# Altium PCB board_ordered.PcbDoc (part 2 of 3)
Units mm, origin at the board's own origin, x right, y up, seen from the top; angles counter-clockwise.
Board outline 100 x 60 mm, 4 copper layers (Top Layer, Mid Layer 1, Mid Layer 2, Bottom Layer), stack 1.57 mm thick; 237 components, 177 nets, 834 pads, 365 vias.
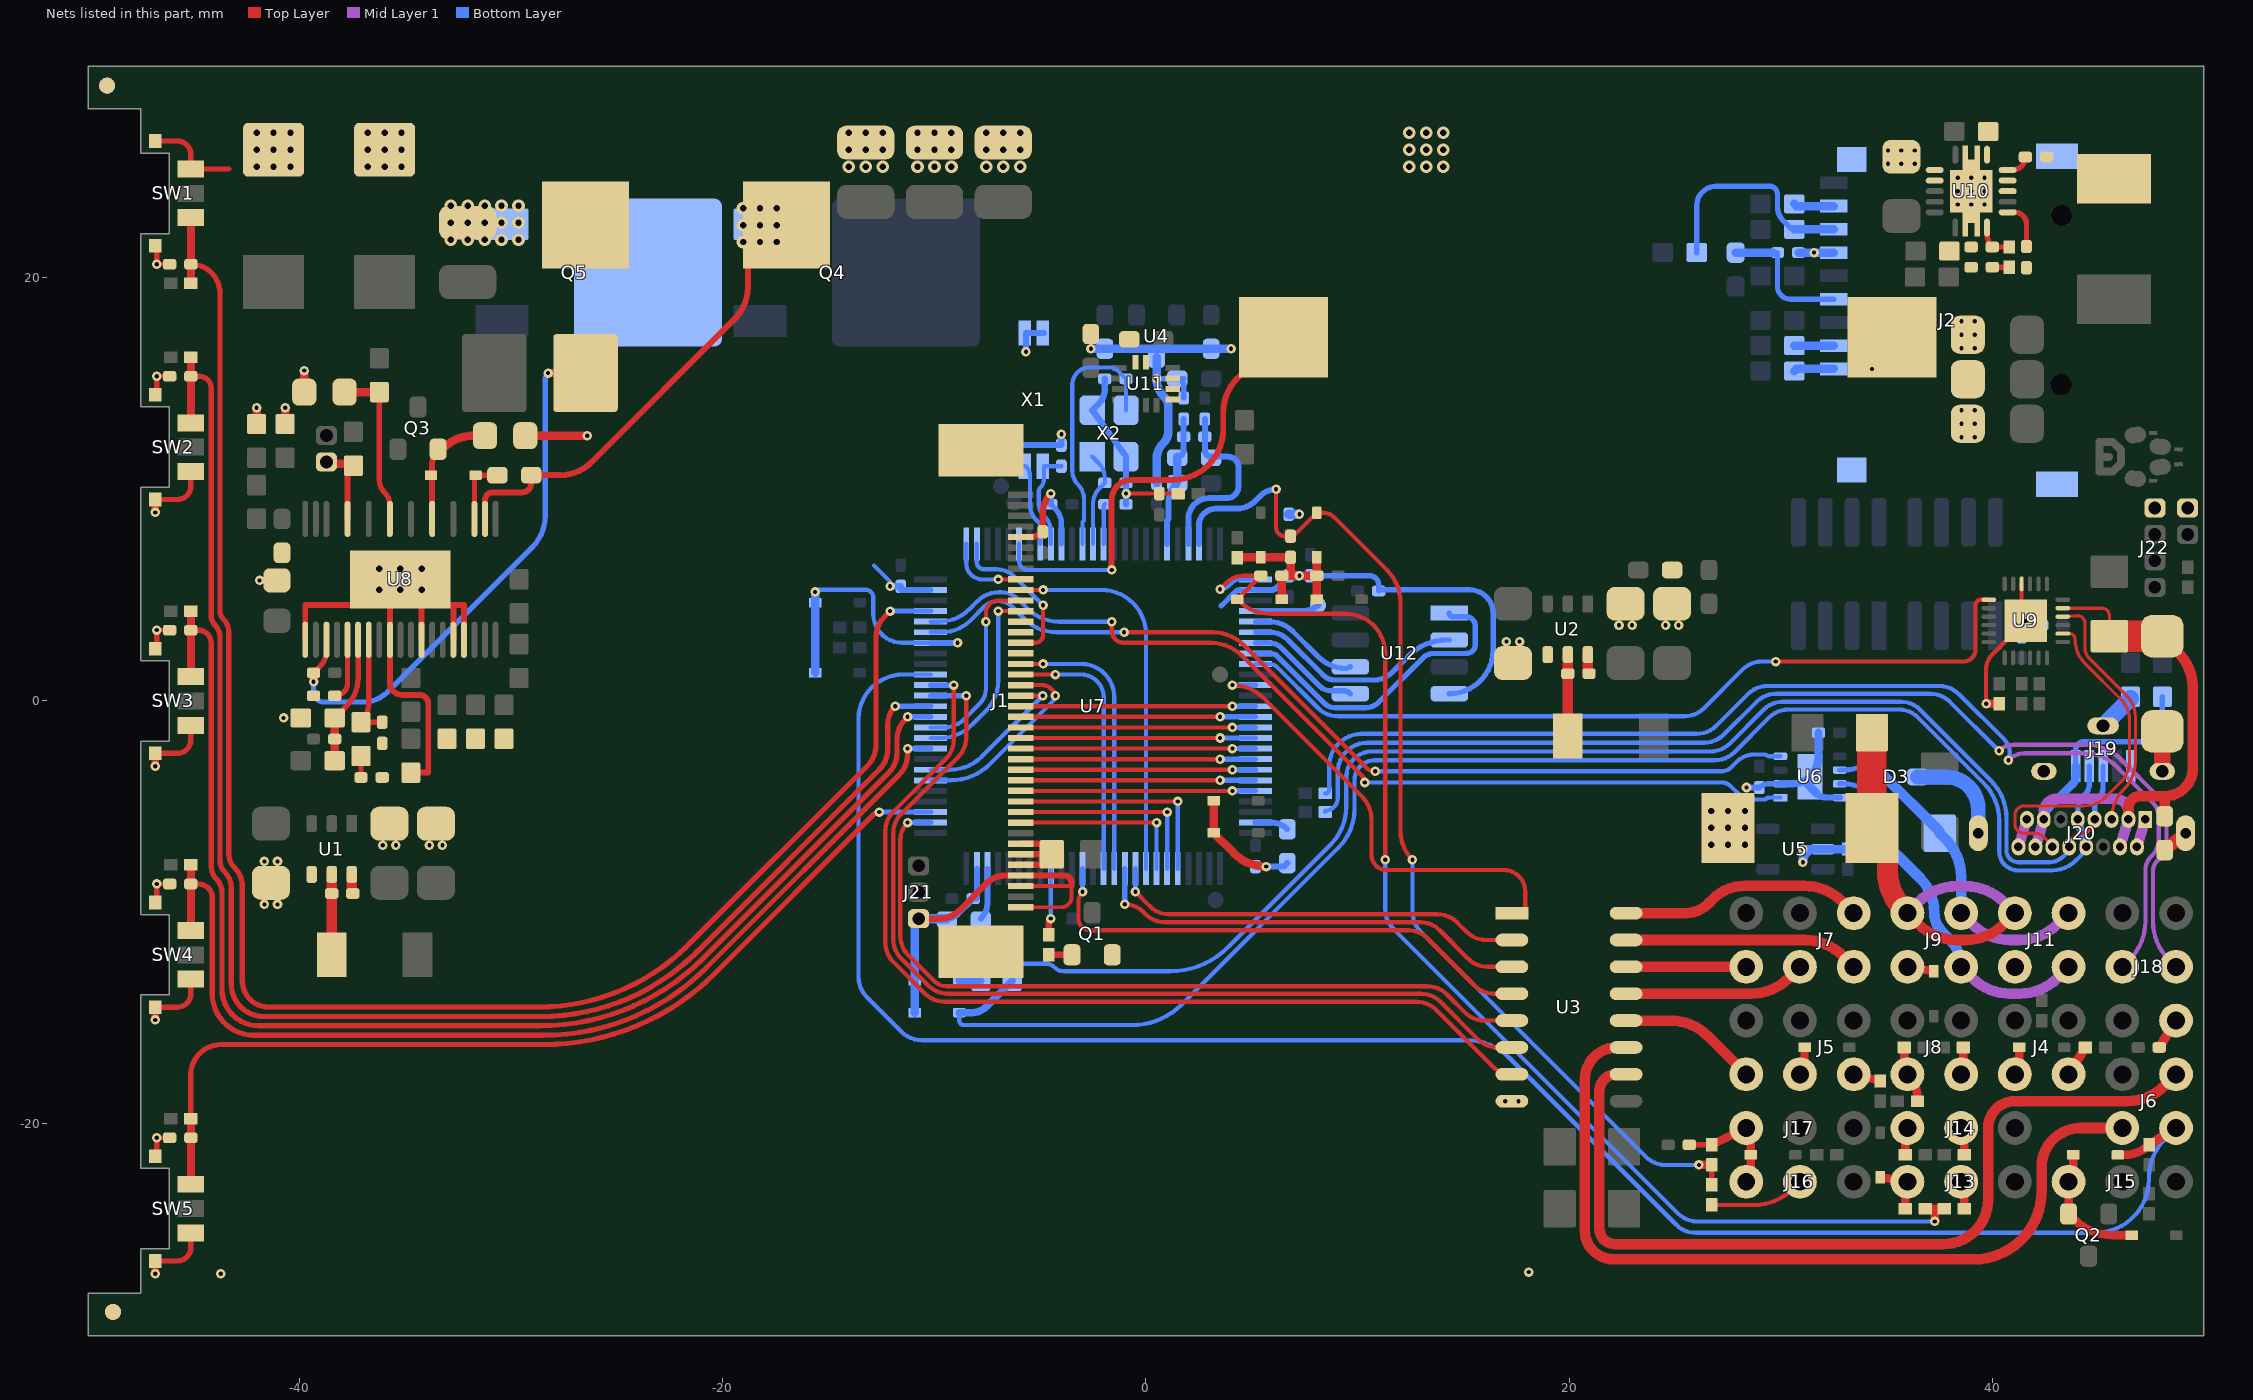
[diagram p4: the nets of this part, all layers, seen from the top]

## Via types
v1: diameter 0.45, hole 0.2, Top Layer to Bottom Layer, tented both sides, 224 vias
v2: diameter 0.6, hole 0.3, Top Layer to Bottom Layer, tented both sides, 135 vias
v3: diameter 0.61, hole 0.305, Top Layer to Bottom Layer, tented bottom, 6 vias

## Nets (pads, with @x,y where several pads share a name; then routed paths per layer and width w, separated by ;. In a path a pad name is that pad's centre, name@x,y a point inside that pad or via, vN(x,y) a via of type N, cw(c..) or ccw(c..) an arc to the next point about the centre after c; other vN are vias at no path point) (continued)
AGND: C38.1 C49.1 C50.1 L7.2 U7.20 | length 6.2
  Bottom Layer w0.28: U7.20@1,7.43 1,8.51 ccw(c0.85,8.66) 1.062,8.66 1.062,9.47 cw(c2.053,9.47) C38.1@1.352,10.17 ; C49.1@1.48,11.551 ccw(c1.48,11.852) 1.78,11.852 C50.1@1.78,12.493 L7.2@1.78,13.326
  Bottom Layer w0.4: C38.1@1.352,10.17 ccw(c1.044,10.479) 1.48,10.479 C49.1@1.48,11.551
B0: C65.1 R64.2 SW1.3 U7.97 | length 82.2
  Top Layer w0.25: C65.1@-45.163,20.65 -45.155,20.65 cw(c-45.155,19.278) -43.784,19.278 -43.784,4.265 ccw(c-43.227,4.265) -43.621,3.871 cw(c-44.232,3.259) -43.367,3.259 -43.367,-7.229 ccw(c-42.467,-7.229) -43.104,-7.866 cw(c-44.021,-8.783) -42.724,-8.783 -42.724,-13.233 ccw(c-41.485,-13.233) -41.485,-14.472 -28.731,-14.472 ccw(c-28.731,-4.453) -21.647,-11.538 -13.171,-3.062 ccw(c-14.141,-2.092) -12.769,-2.092 -12.769,3.014 cw(c-11.398,3.014) -12.367,3.984 v1(-12.101,4.25)
  Top Layer w0.381: R64.2@-45.163,19.75 C65.1@-45.163,20.65 SW1.3@-45.163,22.85
  Bottom Layer w0.25: v1(-12.101,4.25) U7.97@-10.18,4.25
B1: C66.1 R65.2 SW2.1 U7.88 | length 73.6
  Top Layer w0.25: C66.1@-45.163,15.35 -44.755,15.35 cw(c-44.755,14.791) -44.196,14.791 -44.196,4.021 ccw(c-43.588,4.021) -44.018,3.591 cw(c-44.583,3.026) -43.784,3.026 -43.784,-7.535 ccw(c-42.985,-7.535) -43.55,-8.1 cw(c-44.28,-8.83) -43.248,-8.83 -43.248,-13.386 ccw(c-41.719,-13.386) -41.719,-14.915 -28.607,-14.915 ccw(c-28.607,-4.488) -21.234,-11.861 -12.612,-3.239 ccw(c-13.582,-2.269) -12.21,-2.269 -12.21,-1.095 cw(c-11.015,-1.095) v1(-11.86,-0.25)
  Top Layer w0.381: SW2.1@-45.163,13.15 C66.1@-45.163,15.35 R65.2@-45.163,16.25
  Bottom Layer w0.25: v1(-11.86,-0.25) U7.88@-10.18,-0.25
B2: C69.1 R66.2 SW3.1 U7.87 | length 61.9
  Top Layer w0.25: C69.1@-45.163,3.35 -44.805,3.35 cw(c-44.805,2.741) -44.196,2.741 -44.196,-7.817 ccw(c-43.329,-7.817) -43.943,-8.43 ; -43.941,-8.431 cw(c-44.555,-9.044) -43.688,-9.044 -43.688,-13.621 ccw(c-41.95,-13.621) -41.95,-15.359 -28.662,-15.359 ccw(c-28.662,-4.42) -20.927,-12.155 -12.17,-3.397 ccw(c-13.14,-2.427) -11.768,-2.427 -11.768,-1.814 cw(c-10.396,-1.814) -11.366,-0.844 v1(-11.272,-0.75)
  Top Layer w0.381: SW3.1@-45.163,1.15 C69.1@-45.163,3.35 R66.2@-45.163,4.25
  Bottom Layer w0.25: v1(-11.272,-0.75) U7.87@-10.18,-0.75
B3: C71.1 R68.2 SW4.1 U7.84 | length 49.7
  Top Layer w0.25: C71.1@-45.163,-8.65 -44.805,-8.65 cw(c-44.805,-9.31) -44.145,-9.31 -44.145,-13.845 ccw(c-42.188,-13.845) -42.188,-15.802 -28.49,-15.802 ccw(c-28.49,-4.916) -20.792,-12.614 -11.674,-3.495 ccw(c-12.644,-2.525) -11.272,-2.525 v1(-11.272,-2.25)
  Top Layer w0.381: SW4.1@-45.163,-10.85 C71.1@-45.163,-8.65 R68.2@-45.163,-7.75
  Bottom Layer w0.25: v1(-11.272,-2.25) U7.84@-10.18,-2.25
B4: C73.1 R70.2 SW5.1 U7.78 | length 45
  Top Layer w0.25: R70.2@-45.163,-19.75 -45.163,-17.675 cw(c-43.733,-17.675) -43.733,-16.245 -28.5,-16.245 ccw(c-28.5,-4.776) -20.39,-12.886 -12.856,-5.352 cw(c-12.61,-5.598) v1(-12.61,-5.25)
  Top Layer w0.381: SW5.1@-45.163,-22.85 C73.1@-45.163,-20.65 R70.2@-45.163,-19.75
  Bottom Layer w0.25: v1(-12.61,-5.25) U7.78@-10.18,-5.25
BRAKE0: C17.2 D9.2 R29.2 R31.2 U7.26 | length 59.7
  Top Layer w0.2: v1(3.5,5.288) 3.817,5.605 cw(c4.584,4.839) 4.584,5.923 C17.2@5.428,5.923 4.318,4.813 D9.2@4.318,4.803 4.383,4.738 ccw(c5.874,6.228) 4.384,4.737 ccw(c5.874,6.228) 5.874,4.12 9.437,4.12 cw(c9.437,2.25) 11.307,2.25 v1(11.307,-7.503)
  Top Layer w0.4: R31.2@36.85,-24 37.295,-24 ; v1(37.295,-24.608) 37.295,-24 ; R29.2@37.74,-24 37.295,-24
  Bottom Layer w0.2: v1(3.5,5.288) ccw(c3.5,5.929) 3.953,5.476 4.088,5.61 cw(c4.426,5.272) 4.426,5.75 U7.26@5.18,5.75 ; v1(11.307,-7.503) 11.307,-9.843 ccw(c12.603,-9.843) 11.687,-10.759 25.156,-24.229 ccw(c26.072,-23.313) 26.072,-24.608 v1(37.295,-24.608)
BRAKE1: C24.2 D13.2 R34.2 R40.2 U7.23 | length 50.8
  Top Layer w0.2: v1(6.151,10.007) 6.151,8.214 ccw(c6.572,8.214) 6.572,7.793 C24.2@6.836,7.793 6.969,7.793 D13.2@8.079,8.903 8.376,8.903 cw(c8.376,8.187) 8.882,8.694 11.412,6.164 cw(c9.921,4.673) 11.413,6.163 cw(c9.921,4.673) 12.03,4.673 12.03,-6.13 ccw(c13.972,-6.13) v1@12.598,-7.503
  Top Layer w0.25: R34.2@26.75,-22.873 R40.2@26.75,-21.936
  Top Layer w0.4: v1(26.142,-21.936) R40.2@26.75,-21.936
  Bottom Layer w0.2: v1(12.598,-7.503) 12.598,-9.979 ccw(c13.894,-9.979) 12.978,-10.895 23.639,-21.557 ccw(c24.555,-20.641) 24.555,-21.936 v1(26.142,-21.936)
  Bottom Layer w0.28: U7.23@2.5,7.43 2.5,8.291 cw(c3.301,8.291) 3.301,9.092 4.268,9.092 ccw(c4.268,10.381) 5.18,9.47 5.41,9.7 cw(c6.151,8.958) v1(6.151,10.007)
C_INT: U7.34 U9.19 | length 39.1
  Top Layer w0.2: v1(29.775,1.865) 38.627,1.865 ccw(c38.627,2.459) 39.221,2.459 39.221,4.526 cw(c39.483,4.526) 39.483,4.787 U9.19@39.85,4.787
  Bottom Layer w0.2: U7.34@5.18,1.75 5.846,1.75 cw(c5.846,1.253) 6.198,1.604 8.145,-0.343 ccw(c9.061,0.573) 9.061,-0.723 25.461,-0.723 ccw(c25.461,0.573) 26.377,-0.343 28.206,1.485 cw(c29.122,0.569) 29.122,1.865 v1(29.775,1.865)
CAN_H: D3.1 J9.4 J11.4 R15.2 U6.7 | length 17.2
  Mid Layer 1 w0.5: J9.4@38.54,-12.57 39.066,-13.096 ccw(c40.862,-11.3) 40.862,-13.84 41.297,-13.84 ccw(c41.297,-11.3) 43.094,-13.096 J11.4@43.62,-12.57
  Bottom Layer w0.25: U6.7@32.796,-3.915 32.967,-3.915 cw(c32.967,-6.049) D3.1@34.476,-4.54
  Bottom Layer w0.5: D3.1@34.476,-4.54 R15.2@34.476,-6.25 36.593,-8.367 cw(c34.961,-10) 37.27,-10 ccw(c38.575,-10) 37.652,-10.923 38.003,-11.274 cw(c36.706,-12.57) J9.4@38.54,-12.57
CAN_L: D3.2 J9.2 J11.2 R15.1 U6.6 | length 16.7
  Mid Layer 1 w0.5: J9.2@38.54,-10.03 39.066,-10.556 ccw(c40.862,-8.76) 40.862,-11.3 41.297,-11.3 ccw(c41.297,-8.76) 43.094,-10.556 J11.2@43.62,-10.03
  Bottom Layer w0.25: U6.6@32.796,-3.265 32.967,-3.265 ccw(c32.967,-1.131) D3.2@34.476,-2.64
  Bottom Layer w0.5: D3.2@34.476,-2.64 ccw(c35.636,-2.64) 34.816,-3.461 37.467,-6.112 cw(c37.328,-6.25) R15.1@37.524,-6.25 37.796,-6.522 cw(c36,-8.318) 38.54,-8.318 J9.2@38.54,-10.03
CAN_RX: U6.4 U7.95 | length 44.1
  Top Layer w0.2: v1(-1.036,3.25) 3.138,3.25 cw(c3.138,1.142) 4.628,2.634 cw(c3.138,1.142) 4.629,2.633 10.413,-3.151 ccw(c10.838,-2.725) v1(10.838,-3.327)
  Bottom Layer w0.2: U7.95@-10.18,3.25 -9.647,3.25 ccw(c-9.647,5.155) -8.3,3.808 -7.653,4.455 cw(c-6.987,3.79) -6.987,4.731 -6.982,4.731 cw(c-6.982,3.803) -6.326,4.459 -5.734,3.867 ccw(c-4.244,5.358) -5.733,3.866 ccw(c-4.244,5.358) -4.244,3.25 v1(-1.036,3.25) ; v1(10.838,-3.327) 27.251,-3.327 ; 27.212,-3.327 ccw(c27.212,-2.692) 27.251,-3.326 ; U6.4@29.996,-2.615 29.497,-2.615 cw(c29.497,-2.312) 29.283,-2.527 28.779,-2.527 ccw(c28.779,-3.742) 27.92,-2.883 27.661,-3.141 cw(c27.212,-2.692) 27.251,-3.326
CAN_TX: U6.1 U7.96 | length 44.8
  Top Layer w0.2: v1(-1.624,3.75) -1.624,3.338 ccw(c-1.036,3.338) -1.036,2.75 3.058,2.75 cw(c3.058,0.642) 4.548,2.133 cw(c3.058,0.642) 4.549,2.133 10.214,-3.532 cw(c9.892,-3.854) v1(10.347,-3.854)
  Bottom Layer w0.2: U7.96@-10.18,3.75 -9.764,3.75 ccw(c-9.764,5.738) -8.359,4.331 ccw(c-9.764,5.738) -8.358,4.332 -7.97,4.721 cw(c-6.964,3.715) -6.964,5.137 -6.83,5.137 cw(c-6.83,4.04) -6.054,4.816 -5.605,4.367 ccw(c-4.114,5.858) -5.604,4.366 ccw(c-4.114,5.858) -4.114,3.75 v1(-1.624,3.75) ; v1(10.347,-3.854) 27.212,-3.854 ; 27.251,-3.854 27.212,-3.854 ; U6.1@29.996,-4.565 29.497,-4.565 ccw(c29.497,-4.869) 29.283,-4.654 28.779,-4.654 cw(c28.779,-3.439) 27.92,-4.298 27.661,-4.04 ccw(c27.212,-4.489) 27.251,-3.855 ccw(c27.212,-4.489) 27.212,-3.854
CC1: J20.A5 U9.10 | length 11.7
  Top Layer w0.15: U9.10@43.35,3.987 44.034,4.031 cw(c44.034,3.663) 44.402,3.663 44.402,2.459 ccw(c44.999,2.459) 44.577,2.037 46.371,0.243 cw(c45.387,-0.741) 46.779,-0.741 46.779,-2.895 cw(c45.029,-2.895) 46.266,-4.133 46.252,-4.147 ccw(c47.705,-5.6) 45.65,-5.58 ccw(c47.705,-5.6) J20.A5@45.65,-5.6
CC2: J20.B5 U9.8 | length 16.9
  Top Layer w0.15: J20.B5@42.85,-6.9 ccw(c42.708,-6.9) 42.808,-6.799 42.415,-6.406 ccw(c42.039,-6.782) 42.039,-6.25 41.493,-6.25 cw(c41.493,-5.837) 41.08,-5.837 41.08,-5.402 cw(c41.523,-5.402) 41.523,-4.959 44.367,-4.959 ccw(c44.367,-3.532) 45.376,-4.541 46.1,-3.818 ccw(c45.139,-2.857) 46.498,-2.857 46.498,-0.89 ccw(c45.139,-0.89) 46.1,0.071 44.406,1.765 cw(c45.57,2.928) 43.924,2.928 ccw(c43.665,2.928) 43.665,3.187 U9.8@43.35,3.187
D_BL: R16.1 U7.67 | length 3.1
  Top Layer w0.3: R16.1@-4.597,-11.048 -4.597,-10.521 cw(c-4.265,-10.521) v1(-4.5,-10.286)
  Bottom Layer w0.2: v1(-4.5,-10.286) U7.67@-4.5,-7.93
D_C: J1.34 J1.35 J1.36 R12.1 | length 4.4
  Top Layer w0.3: J1.36@-5.925,-7.75 R12.1@-4.453,-7.75 ; J1.35@-5.925,-7.25 R12.1@-4.453,-7.25 ; J1.34@-5.925,-6.75 R12.1@-4.453,-6.75
D_CS: J1.9 U7.1 | length 3.9
  Top Layer w0.2: v1@-6.968,5.75 J1.9@-5.925,5.75
  Bottom Layer w0.2: U7.1@-8.5,7.43 -8.5,6.509 ccw(c-7.741,6.509) -7.741,5.75 v1(-6.982,5.75)
D_D0: J1.17 U7.61 | length 13.4
  Top Layer w0.2: J1.17@-5.925,1.75 v1@-4.882,1.75
  Bottom Layer w0.2: v1(-4.867,1.75) -3.064,1.75 cw(c-3.064,0.186) -1.5,0.186 U7.61@-1.5,-7.93
D_D1: J1.18 U7.62 | length 12.6
  Top Layer w0.2: J1.18@-5.925,1.25 v1(-4.28,1.25)
  Bottom Layer w0.2: v1(-4.28,1.25) -3.073,1.25 cw(c-3.073,0.177) -2,0.177 U7.62@-2,-7.93
D_D2: J1.19 U7.81 | length 9.4
  Top Layer w0.2: J1.19@-5.925,0.75 -4.924,0.75 cw(c-4.924,0.106) -4.468,0.561 -4.28,0.373 v1(-4.28,0.25)
  Bottom Layer w0.2: U7.81@-10.18,-3.75 -9.237,-3.75 ccw(c-9.237,-1.119) -7.377,-2.98 -4.28,0.118 v1(-4.28,0.25)
D_D3: J1.20 U7.82 | length 7.7
  Top Layer w0.2: J1.20@-5.925,0.25 v1(-4.882,0.25)
  Bottom Layer w0.2: U7.82@-10.18,-3.25 -9.255,-3.25 ccw(c-9.255,-1.142) -7.766,-2.634 ccw(c-9.255,-1.142) -7.765,-2.633 v1(-4.882,0.25)
D_D4: J1.21 U7.38 | length 11.1
  Top Layer w0.2: J1.21@-5.925,-0.25 v1(4.088,-0.25)
  Bottom Layer w0.25: v1(4.088,-0.25) U7.38@5.18,-0.25
D_D5: J1.22 U7.39 | length 11.1
  Top Layer w0.2: J1.22@-5.925,-0.75 v1(3.5,-0.75)
  Bottom Layer w0.25: v1(3.5,-0.75) U7.39@5.18,-0.75
D_D6: J1.23 U7.40 | length 11.1
  Top Layer w0.2: J1.23@-5.925,-1.25 v1(4.088,-1.25)
  Bottom Layer w0.25: v1(4.088,-1.25) U7.40@5.18,-1.25
D_D7: J1.24 U7.41 | length 11.1
  Top Layer w0.2: J1.24@-5.925,-1.75 v1(3.5,-1.75)
  Bottom Layer w0.25: v1(3.5,-1.75) U7.41@5.18,-1.75
D_D8: J1.25 U7.42 | length 11.1
  Top Layer w0.2: J1.25@-5.925,-2.25 v1(4.088,-2.25)
  Bottom Layer w0.25: v1(4.088,-2.25) U7.42@5.18,-2.25
D_D9: J1.26 U7.43 | length 11.1
  Top Layer w0.2: J1.26@-5.925,-2.75 v1(3.5,-2.75)
  Bottom Layer w0.25: v1(3.5,-2.75) U7.43@5.18,-2.75
D_D10: J1.27 U7.44 | length 11.1
  Top Layer w0.2: J1.27@-5.925,-3.25 v1(4.088,-3.25)
  Bottom Layer w0.25: v1(4.088,-3.25) U7.44@5.18,-3.25
D_D11: J1.28 U7.45 | length 11.1
  Top Layer w0.2: J1.28@-5.925,-3.75 v1(3.5,-3.75)
  Bottom Layer w0.25: v1(3.5,-3.75) U7.45@5.18,-3.75
D_D12: J1.29 U7.46 | length 11.1
  Top Layer w0.2: J1.29@-5.925,-4.25 v1(4.088,-4.25)
  Bottom Layer w0.25: v1(4.088,-4.25) U7.46@5.18,-4.25
D_D13: J1.30 U7.55 | length 10.6
  Top Layer w0.2: J1.30@-5.925,-4.75 v1(1.5,-4.75)
  Bottom Layer w0.2: U7.55@1.5,-7.93 v1(1.5,-4.75)
D_D14: J1.31 U7.56 | length 9.6
  Top Layer w0.2: J1.31@-5.925,-5.25 v1(1,-5.25)
  Bottom Layer w0.2: U7.56@1,-7.93 v1(1,-5.25)
D_D15: J1.32 U7.57 | length 8.6
  Top Layer w0.2: J1.32@-5.925,-5.75 v1(0.5,-5.75)
  Bottom Layer w0.2: U7.57@0.5,-7.93 v1(0.5,-5.75)
D_RD: J1.12 U7.85 | length 9
  Top Layer w0.2: v1@-6.968,4.25 J1.12@-5.925,4.25
  Bottom Layer w0.2: U7.85@-10.18,-1.75 -9.729,-1.75 ccw(c-9.729,0.358) -8.24,-1.134 ccw(c-9.729,0.358) -8.239,-1.133 -7.575,-0.469 ccw(c-9.007,0.962) -7.574,-0.468 ccw(c-9.007,0.962) -6.982,0.962 v1(-6.982,4.25)
D_RS: J1.10 U7.58 | length 18.2
  Top Layer w0.2: J1.10@-5.925,5.25 v1@-4.882,5.25
  Bottom Layer w0.2: v1(-4.867,5.25) -2.108,5.25 cw(c-2.108,3.142) 0,3.142 U7.58@0,-7.93
D_RST: J1.15 U7.2 | length 7.5
  Top Layer w0.2: J1.15@-5.925,2.75 -5.245,2.75 ccw(c-5.245,3.127) -4.867,3.127 v1(-4.867,4.528)
  Bottom Layer w0.2: U7.2@-8,7.43 -8,6.553 ccw(c-7.671,6.553) -7.671,6.224 -7.069,6.224 ; -7.069,6.224 cw(c-7.069,5.004) -6.206,5.867 v1(-4.867,4.528)
D_WR: J1.11 U7.86 | length 9.1
  Top Layer w0.2: v1(-7.57,3.75) -7.57,4.159 cw(c-6.98,4.159) -6.98,4.75 J1.11@-5.925,4.75
  Bottom Layer w0.2: U7.86@-10.18,-1.25 -9.528,-1.25 ccw(c-9.528,0.056) -8.604,-0.867 -7.866,-0.129 ; -7.865,-0.129 ccw(c-8.58,0.585) -7.57,0.585 v1(-7.57,3.75)
DAC: TP6.1 U7.29 | length 3
  Bottom Layer w0.3: U7.29@5.18,4.25 7.459,4.25 ccw(c7.459,5.209) TP6.1@8.137,4.531
DM: D20.2 J19.2 J20.A7 J20.B7 R26.2 | length 73.4
  Bottom Layer w0.2: D20.2@-8.829,-14.732 -8.829,-15.1 ccw(c-8.604,-15.1) -8.604,-15.325 -0.654,-15.325 ccw(c-0.654,-12.035) 1.672,-14.361 9.099,-6.935 ccw(c7.266,-5.103) 9.858,-5.103 9.858,-3.75 cw(c10.806,-3.75) 10.806,-2.802 26.905,-2.802 ccw(c26.905,-1.507) 27.821,-2.423 29.461,-0.783 cw(c30.377,-1.699) 30.377,-0.403 35.588,-0.403 cw(c35.588,-1.699) 36.504,-0.783 39.597,-3.876 cw(c37.801,-5.672) 40.341,-5.672 40.341,-7.113 ccw(c41.237,-7.113) 41.237,-8.009 42.832,-8.009 ccw(c42.832,-6.391) 43.976,-7.536 ; 43.976,-7.535 44.45,-7.061 J20.B7@44.45,-6.9
  Bottom Layer w0.25: J20.A7@44.05,-5.6 44.05,-5.263 cw(c45.242,-5.263) 44.399,-4.42 ccw(c43.915,-3.935) 44.6,-3.935 J19.2@44.6,-3.075
  Bottom Layer w0.35: D20.2@-8.829,-14.732 -8.203,-14.732 ccw(c-8.203,-13.844) -7.575,-14.472 R26.2@-6.324,-13.221
  Bottom Layer w0.4: J20.A7@44.05,-5.6 J20.B7@44.45,-6.9
DP: D19.2 J19.3 J20.A6 J20.B6 R27.2 | length 70.3
  Top Layer w0.2: J20.B6@43.65,-6.9 43.65,-6.655 43.924,-6.381 ; 43.924,-6.38 cw(c44.251,-6.707) 44.251,-6.245 ccw(c44.251,-5.783) 44.577,-6.11 ; 44.577,-6.11 44.85,-5.837 J20.A6@44.85,-5.6
  Bottom Layer w0.2: D19.2@-8.829,-13.221 -8.829,-12.821 cw(c-8.429,-12.821) -8.429,-12.421 -4.753,-12.421 ; -4.753,-12.421 cw(c-4.753,-13.041) -4.314,-12.602 ccw(c-3.888,-12.176) -3.888,-12.779 1.129,-12.779 ccw(c1.129,-8.879) 3.887,-11.636 8.713,-6.811 ccw(c6.88,-4.979) 9.472,-4.979 9.472,-3.59 cw(c10.676,-3.59) 10.676,-2.386 26.692,-2.386 ccw(c26.692,-1.091) 27.608,-2.007 29.203,-0.412 cw(c30.119,-1.328) 30.119,-0.032 35.683,-0.032 cw(c35.683,-1.328) 36.599,-0.412 39.939,-3.752 cw(c38.143,-5.548) 40.683,-5.548 40.683,-7.075 ccw(c41.228,-7.075) 41.228,-7.62 42.718,-7.62 ccw(c42.718,-6.688) 43.377,-7.347 ; 43.377,-7.347 43.65,-7.074 J20.B6@43.65,-6.9
  Bottom Layer w0.25: J20.A6@44.85,-5.6 44.85,-5.039 cw(c45.407,-5.039) 45.013,-4.645 ccw(c44.442,-4.073) 45.25,-4.073 J19.3@45.25,-3.075
  Bottom Layer w0.365: D19.2@-8.829,-13.221 R27.2@-7.814,-13.221
EARTH0: TP1.1
EARTH1: TP2.1
EARTH2: TP3.1
EARTH3: TP4.1
FR_CS: U7.33 U12.1 | length 15.1
  Bottom Layer w0.25: U7.33@5.18,2.25 5.87,2.25 cw(c5.87,1.769) 6.21,2.109 8.42,-0.101 ccw(c8.948,0.427) 8.948,-0.319 10.399,-0.319 ccw(c10.399,0.506) 10.982,-0.077 13.095,2.035 cw(c13.613,1.517) 13.613,2.25 15.153,2.25 ccw(c15.153,2.667) 15.57,2.667 15.57,3.543 ccw(c15.128,3.543) 15.128,3.985 14.51,3.985 cw(c14.51,4.155) U12.1@14.34,4.155
FR_MISO: U7.31 U12.2 | length 10.6
  Bottom Layer w0.25: U7.31@5.18,3.25 5.867,3.25 cw(c5.867,2.081) 6.694,2.908 8.385,1.216 ccw(c8.918,1.749) 8.918,0.995 10.786,0.995 ccw(c10.786,2.193) 11.633,1.346 12.428,2.141 cw(c14.224,0.345) 14.224,2.885 U12.2@14.34,2.885
FR_MOSI: U7.32 U12.5 | length 5.4
  Bottom Layer w0.25: U7.32@5.18,2.75 5.823,2.75 cw(c5.823,1.924) 6.407,2.508 8.212,0.703 ccw(c8.74,1.231) 8.74,0.485 9.323,0.485 cw(c9.323,0.008) U12.5@9.66,0.345
FR_SCK: U7.30 U12.6 | length 5.3
  Bottom Layer w0.25: U7.30@5.18,3.75 5.843,3.75 cw(c5.843,2.198) 6.94,3.296 8.152,2.084 ccw(c9.472,3.404) 9.472,1.537 U12.6@9.66,1.615
GND: B1.2 C3.1 C4.1 C5.1 C6.1 C7.1 C8.1 C9.1 C10.1 C11.1 C12.1 C13.1 C14.1 C15.1 C16.2 C17.1 C18.1 C19.1 C20.1 C21.1 C22.2 C23.1 C24.1 C26.2 C27.2 C29.1 C30.1 C31.1 C32.1 C34.2 C35.2 C36.2 C37.2 C39.1 C40.1 C41.1 C42.1 C43.1 C45.1 C46.1 C47.1 C48.1 C51.1 C52.1 C53.1 C54.2 C55.2 C56.2 C57.2 C58.2 C59.1 C60.1 C61.1 C62.1 C63.1 C64.1 C65.2 C66.2 C67.2 C68.2 C69.2 C70.1 C71.2 C72.1 C73.2 C74.1 D1.1 D2.1 D3.3 D4.1 D5.1 D6.1 D7.1 D8.1 D9.1 D10.1 D12.1 D13.1 D14.1 D15.1 D16.1 D17.1 D18.1 D19.1 D20.1 D21.1 J1.5 J1.13 J1.14 J1.16 J1.37 J1.38 J1.40 J1.41 J2.6 J2.10 J2.11 J2.12 J2.13 J4.3 J5.3 J8.3 J9.3 J11.3 J13.3 J14.3 J15.3 J16.3 J17.3 J18.6 J19.5 J19.6 J19.7 J19.8 J20.13 J20.14 J20.A1 J20.A12 J20.B1 J20.B12 J21.3 J22.4 J23.2 L7.1 Q1.2 Q2.2 Q5.3 R8.2 R13.2 R14.1 R19.1 R21.1 R31.1 R32.1 R40.1 R42.2 R43.2 R44.2 R45.2 R46.2 R52.2 R53.2 R55.2 R61.2 R62.1 R63.2 R69.2 SW1.1 SW1.4 SW1.5 SW2.3 SW2.4 SW2.5 SW3.3 SW3.4 SW3.5 SW4.3 SW4.4 SW4.5 SW5.3 SW5.4 SW5.5 U1.4 U2.4 U3.8 U4.3 U5.2 U6.2 U6.8 U6.9 U7.10 U7.27 U7.74 U7.94 U7.99 U8.1 U8.9 U8.12 U8.15 U8.16 U8.39 U9.16 U9.25 U10.2 U10.3 U10.14 U10.15 U11.1 U11.2 U11.3 U11.6 U11.7 U12.4 X1.2 X1.3 X2.2 X2.4 | length 219.2